# Altium PCB CTRL V5.PcbDoc (part 2 of 3) (continued)
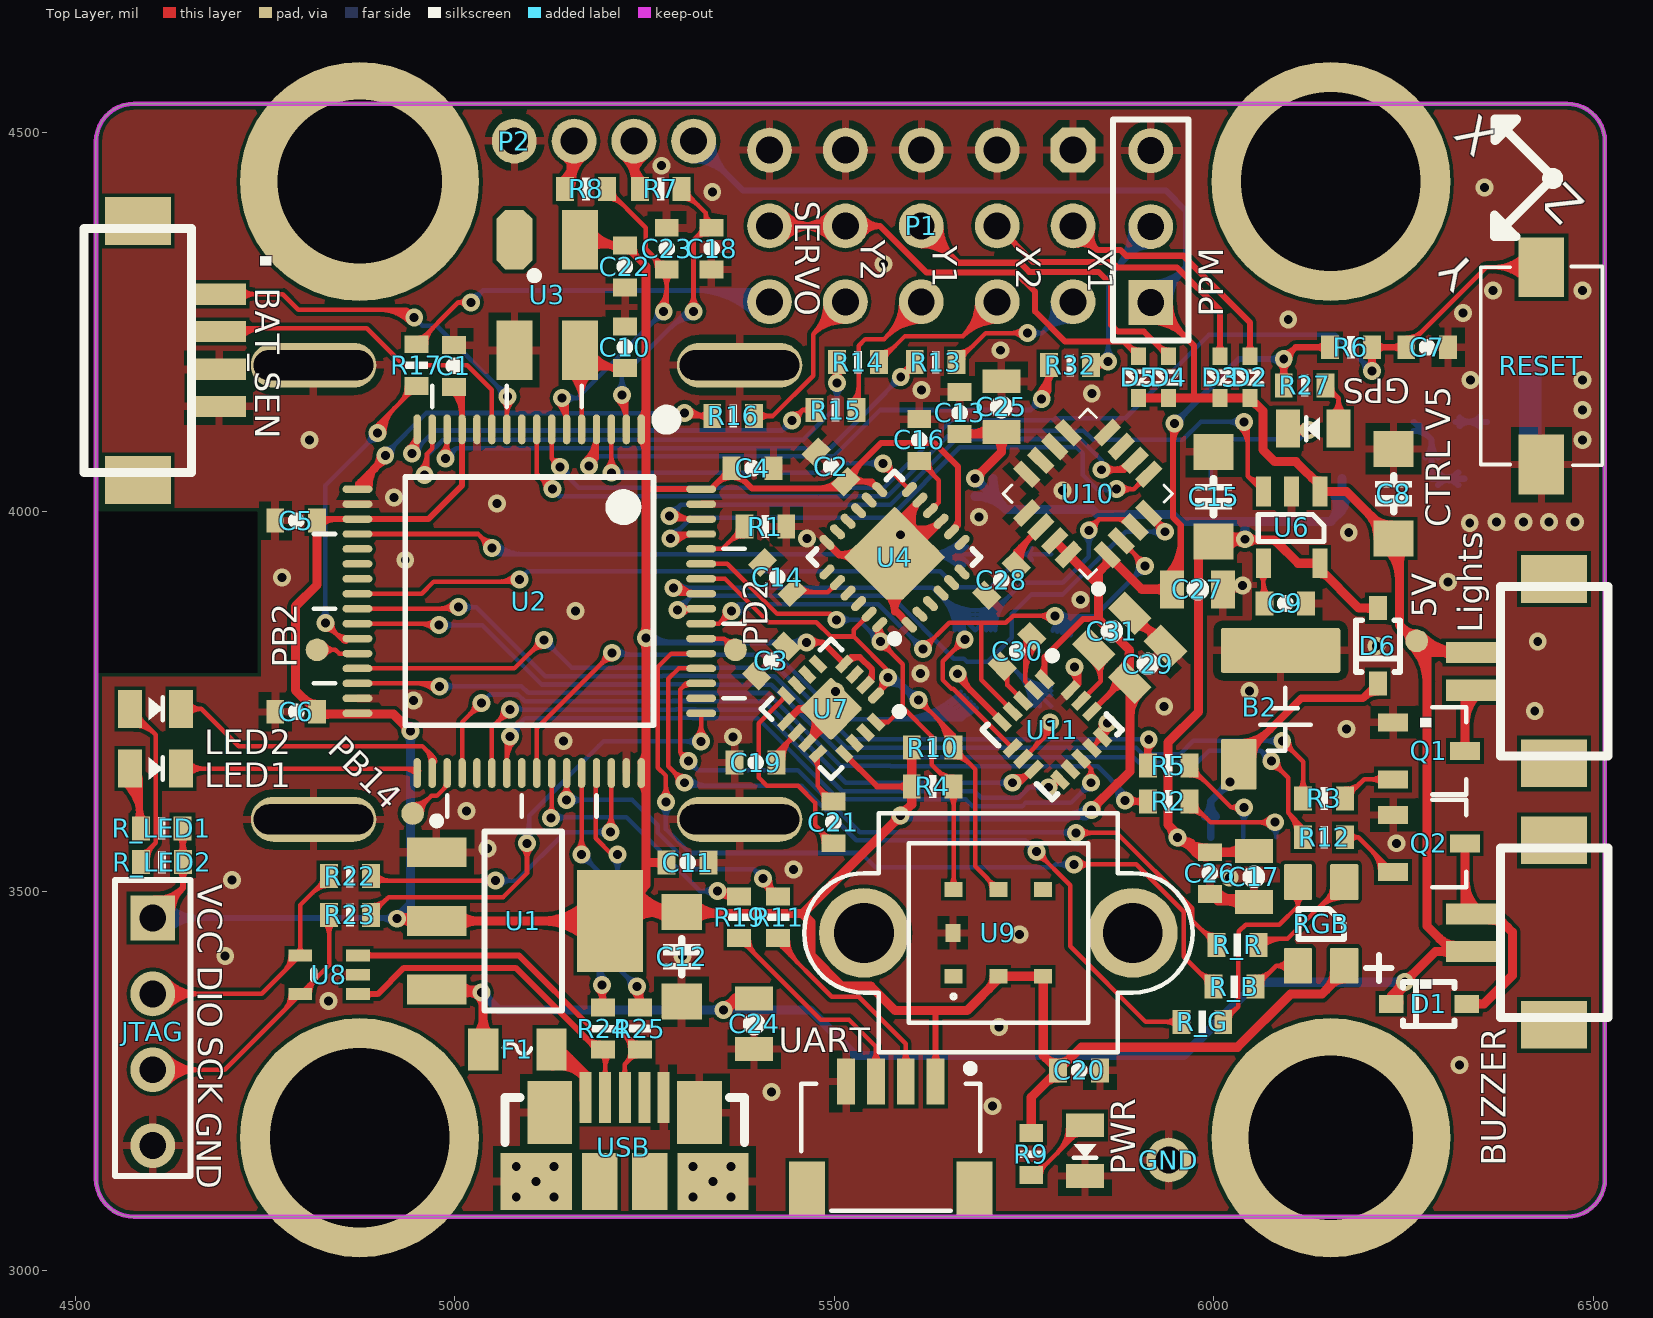
[diagram p0: Top Layer view]
## Nets (pads, with @x,y where several pads share a name; then routed paths per layer and width w, separated by ;. In a path a pad name is that pad's centre, name@x,y a point inside that pad or via, vN(x,y) a via of type N, cw(c..) or ccw(c..) an arc to the next point about the centre after c; other vN are vias at no path point) (continued)
NetC14_1: C14.1 U4.20 | length 120.8
  Top Layer w6: C14.1@5444.69,3893.9 5491.9,3893.9 U4.20@5504.56,3906.55 ; C14.1@5449.46,3898.67 ccw(c5460.98,3910.19) C14.1@5460.98,3893.9 ; C14.1@5453.7,3890.45 cw(c5462.02,3882.13) 5462.02,3893.9 ; C14.1@5453.7,3902.91 ccw(c5475.46,3924.68) 5475.46,3893.9 ; U4.20@5497.59,3902.1 cw(c5491.53,3902.1) 5495.82,3897.81 cw(c5500.1,3893.52) U4.20@5500.1,3899.59
NetC16_1: C16.1 U4.10 | length 136.5
  Top Layer w6: C16.1@5612.21,4066.93 5637.8,4041.34 5637.8,4011.95 U4.10@5627.05,4001.21 ; C16.1@5616.14,4058.12 cw(c5616.14,4046.35) 5624.46,4054.67 ; C16.1@5618.95,4066.93 ccw(c5635.24,4066.93) C16.1@5623.72,4055.41 ; C16.1@5624.95,4066.93 ccw(c5655.73,4066.93) 5633.97,4045.17 ; U4.10@5631.5,4008.17 ccw(c5631.5,4014.24) 5635.79,4009.95 ccw(c5640.08,4005.66) U4.10@5634.02,4005.66
NetC19_2: C19.2 U7.10 | length 123.9
  Top Layer w6: C19.2@5424.21,3674.21 5424.21,3682.23 U7.10@5450.82,3708.84 ; C19.2@5427.02,3673.23 cw(c5455.54,3673.23) 5435.38,3693.39 ; C19.2@5433.02,3673.23 cw(c5476.03,3673.23) U7.10@5445.62,3703.63 ; 5442.36,3697.99 cw(c5449.55,3693.84) U7.10@5447.4,3701.86 ; 5443.27,3699.57 ccw(c5438.31,3702.43) U7.10@5443.84,3703.91 ; U7.10@5443.74,3704.66 cw(c5436.73,3704.66) 5441.69,3699.7 cw(c5446.65,3694.74) U7.10@5446.65,3701.76
NetC21_1: C21.1 U7.8 | length 331.7
  Top Layer w6: U7.8@5434,3757.56 cw(c5426.98,3757.56) 5431.94,3752.6 cw(c5436.9,3747.64) U7.8@5436.9,3754.65 ; U7.8@5436.9,3757.56 5400.59,3721.24 5400.59,3649.61 5411.42,3638.78 5452.63,3638.78 5475.27,3616.14 5475.27,3586.74 C21.1@5499.02,3562.99 ; 5477.25,3584.76 cw(c5455.49,3562.99) C21.1@5486.27,3562.99 ; 5486.76,3575.25 ccw(c5495.08,3583.57) C21.1@5495.08,3571.8 ; C21.1@5487.5,3574.51 cw(c5475.98,3562.99) C21.1@5492.27,3562.99
NetC21_2: C21.2 U7.12 | length 131
  Top Layer w6: U7.12@5472.43,3674.77 cw(c5457.39,3659.73) 5478.66,3659.73 ; U7.12@5478.66,3681 5478.66,3638.46 ; C21.2@5486.28,3618.58 ccw(c5460.19,3619.99) 5478.67,3638.46 ; 5486.76,3630.37 ccw(c5495.08,3638.69) C21.2@5495.08,3626.92 ; C21.2@5488.18,3628.95 cw(c5478.24,3619.02) C21.2@5492.27,3618.26 ; C21.2@5499.02,3618.11 5478.66,3638.46
NetC28_2: C28.2 U10.14 | length 160.6
  Top Layer w8: C28.2@5734.3,3938.98 ccw(c5730.99,3947.32) 5739.96,3947.32 ; C28.2@5736.99,3931.72 cw(c5767.47,3931.72) 5745.91,3953.28 ; C28.2@5739.96,3928.94 5739.96,3947.32 ; C28.2@5739.96,3943.86 ccw(c5749.31,3943.86) C28.2@5742.7,3937.24 ; C28.2@5744.99,3931.72 cw(c5794.78,3931.72) 5759.57,3966.93 ; U10.14@5761.35,3972.71 cw(c5751.69,3972.71) 5758.52,3965.88 cw(c5765.35,3959.06) U10.14@5765.35,3968.71 ; U10.14@5772.42,3979.78 5739.96,3947.32
NetC30_1: C30.1 U11.3 | length 98.8
  Top Layer w6: C30.1@5719.93,3786.1 cw(c5711.14,3771.31) 5728.35,3771.31 ; C30.1@5723,3791.26 cw(c5717.41,3781.86) C30.1@5728.35,3781.86 ; C30.1@5723.77,3784.89 cw(c5723.39,3779.94) 5728.35,3779.94 ; 5728.35,3780.51 5728.35,3771.65 U11.3@5749.26,3750.74 ; U11.3@5741.31,3755.69 ccw(c5734.07,3755.69) 5739.19,3760.81 ccw(c5744.31,3765.93) U11.3@5744.31,3758.69 ; C30.1@5728.35,3781.84 cw(c5736.27,3781.84) 5730.67,3787.44 ccw(c5736.27,3781.84) C30.1@5728.35,3781.84
NetC30_2: C30.2 U11.2 | length 221.8
  Top Layer w6: 5751.97,3783.75 cw(c5812.31,3783.75) C30.2@5769.64,3826.42 ; 5751.97,3798.23 cw(c5797.83,3798.23) C30.2@5765.4,3830.66 ; 5751.97,3812.72 cw(c5783.34,3812.72) C30.2@5761.16,3834.9 ; 5751.97,3827.2 cw(c5768.86,3827.2) C30.2@5756.91,3839.15 ; C30.2@5752.74,3831.51 cw(c5749.07,3829.68) 5751.97,3826.77 ; U11.2@5755.45,3769.83 ccw(c5748.21,3769.83) 5753.33,3774.95 ccw(c5758.45,3780.07) U11.2@5758.45,3772.83 ; C30.2@5756.7,3827.54 ccw(c5754.87,3823.87) 5751.97,3826.77 ; C30.2@5760.63,3835.43 5751.97,3826.77 ; U11.2@5763.4,3764.88 5751.97,3776.32 5751.97,3826.77
NetC31_2: C31.2 U11.15 | length 158.8
  Top Layer w6: U11.15@5825.59,3750.78 5851.38,3776.57 5851.38,3809.3 C31.2@5842.15,3818.53 ; U11.15@5830.54,3758.73 ccw(c5830.54,3765.97) 5835.66,3760.85 ccw(c5840.78,3755.73) U11.15@5833.54,3755.73 ; C31.2@5840,3802.67 cw(c5815.56,3776.47) 5851.38,3776.47 ; C31.2@5844.09,3807.05 cw(c5828.44,3790.28) 5851.38,3790.28 ; 5851.38,3787.69 cw(c5872.98,3787.69) C31.2@5857.71,3802.97
NetD2_A: D2.A P1.2 | length 446.4
  Top Layer w8: P1.2@5814.96,4376.38 5846.85,4344.49 ; P1.2@5819.21,4359.37 cw(c5823.71,4341.34) 5836.86,4354.48 cw(c5850,4367.63) P1.2@5831.97,4372.13 ; P1.2@5821.15,4351.61 cw(c5827.71,4325.35) 5846.85,4344.49 ; P1.2@5839.73,4370.19 ccw(c5865.99,4363.63) 5846.85,4344.49 ; D2.A@6043.86,4210.82 ccw(c6033.89,4220.8) 6047.99,4220.8 ccw(c6062.1,4220.8) D2.A@6052.12,4210.82 ; D2.A@6047.99,4204.72 6047.99,4249.25 5960.18,4337.06 5884.97,4337.06 5877.54,4344.49 5846.85,4344.49
NetD3_A: D3.A P1.5 | length 422.2
  Top Layer w8: P1.5@5714.96,4376.38 5762.6,4328.74 5866.14,4328.74 5873.03,4321.85 5951.77,4321.85 6008.62,4265 D3.A@6008.62,4204.72 ; D3.A@6004.49,4210.82 ccw(c5994.52,4220.8) 6008.62,4220.8 ccw(c6022.73,4220.8) D3.A@6012.75,4210.82
NetD4_A: D4.A P1.8 | length 613.3
  Top Layer w8: P1.8@5614.96,4350.85 cw(c5614.96,4289.22) 5658.54,4332.8 cw(c5702.12,4376.38) P1.8@5640.49,4376.38 ; P1.8@5614.96,4358.85 cw(c5614.96,4316.54) 5644.88,4346.46 cw(c5674.8,4376.38) P1.8@5632.49,4376.38 ; P1.8@5614.96,4376.38 5663.43,4327.91 5745.05,4327.91 5757.21,4315.74 5848.47,4315.74 5865.16,4299.05 5865.16,4246.06 5874.16,4237.06 5908.37,4237.06 D4.A@5940.71,4204.72 ; 5927.37,4218.06 ccw(c5940.71,4231.39) D4.A@5940.71,4212.54 ; D4.A@5932.13,4213.31 cw(c5925.51,4206.69) D4.A@5934.87,4206.69
NetD5_A: D5.A P1.11 P1.14 | length 1017.3
  Top Layer w8: P1.14@5414.96,4376.38 P1.11@5514.96,4376.38 5560.47,4376.38 ; P1.14@5427.35,4363.98 cw(c5457.28,4334.06) 5457.28,4376.38 cw(c5457.28,4418.69) P1.14@5427.35,4388.77 ; P1.14@5433.01,4358.33 cw(c5476.59,4314.75) 5476.59,4376.38 cw(c5476.59,4438.01) P1.14@5433.01,4394.43 ; P1.11@5496.91,4358.33 ccw(c5453.33,4314.75) 5453.33,4376.38 ccw(c5453.33,4438.01) P1.11@5496.91,4394.43 ; P1.11@5502.57,4363.98 ccw(c5472.64,4334.06) 5472.64,4376.38 ccw(c5472.64,4418.69) P1.11@5502.57,4388.77 ; P1.11@5529.92,4367.24 cw(c5546.21,4357.29) 5546.21,4376.38 cw(c5546.21,4395.47) P1.11@5529.92,4385.52 ; P1.11@5536.74,4363.07 cw(c5560.47,4348.57) 5560.47,4376.38 ; P1.11@5536.74,4389.69 ccw(c5560.47,4404.18) 5560.47,4376.38 ; 5888,4218.06 ccw(c5901.34,4231.39) D5.A@5901.34,4212.54 ; D5.A@5892.76,4213.31 cw(c5886.14,4206.69) D5.A@5895.5,4206.69 ; D5.A@5901.34,4204.72 5882,4224.06 5804.48,4224.06 5764.76,4263.78 5764.76,4289.8 5739.66,4314.91 5621.95,4314.91 5560.47,4376.38
NetF1_2: F1.2 USB.VBUS | length 158.9
  Top Layer w15: F1.2@5127.38,3286.32 cw(c5130.7,3258.43) 5150.56,3278.29 ; F1.2@5129.16,3271.43 cw(c5135.36,3219.4) USB.VBUS@5172.41,3256.45 ; F1.2@5133.58,3295.28 USB.VBUS@5172.41,3256.45 ; USB.VBUS@5172.41,3225.17 USB.VBUS@5172.41,3228.13 USB.VBUS@5172.41,3256.45
NetGPS_A: GPS.A R27.1 | length 163.7
  Top Layer w6: R27.1@6147.64,4166.34 6164.84,4149.14 ; R27.1@6149.41,4153.77 cw(c6152.82,4137.13) 6164.84,4149.14 ; GPS.A@6155.85,4127.55 ccw(c6134.4,4149.14) 6164.84,4149.14 ; R27.1@6156.45,4162.4 ccw(c6168.22,4162.4) 6159.9,4154.08 ; GPS.A@6160.08,4123.29 ccw(c6148.72,4134.72) 6164.84,4134.72 ccw(c6180.95,4134.72) GPS.A@6169.59,4123.29 ; GPS.A@6164.84,4109.25 6164.84,4149.14 ; GPS.A@6173.82,4127.55 cw(c6195.28,4149.14) 6164.84,4149.14
NetJTAG_2: JTAG.2 R22.1 U8.4 | length 670.6
  Top Layer w6: JTAG.2@4602.36,3364.57 4745.86,3364.57 U8.4@4796.65,3415.35 4796.65,3481.69 R22.1@4834.65,3519.69 ; JTAG.2@4612.63,3354.29 cw(c4637.43,3329.49) 4637.43,3364.57 cw(c4637.43,3399.64) JTAG.2@4612.63,3374.84 ; JTAG.2@4616.88,3350.05 cw(c4651.92,3315.01) 4651.92,3364.57 cw(c4651.92,3414.12) JTAG.2@4616.88,3379.08 ; JTAG.2@4621.12,3345.81 cw(c4666.41,3300.52) 4666.41,3364.57 cw(c4666.41,3428.61) JTAG.2@4621.12,3383.32 ; 4774.88,3393.59 ccw(c4753.12,3415.35) U8.4@4783.9,3415.35 ; 4785.13,3403.83 ccw(c4773.61,3415.35) U8.4@4789.9,3415.35 ; U8.4@4793.2,3418.8 ccw(c4784.88,3427.12) 4796.65,3427.12 ccw(c4808.41,3427.12) U8.4@4800.09,3418.8 ; 4812.88,3497.92 cw(c4834.65,3476.16) R22.1@4834.65,3506.94 ; 4822.39,3507.43 ccw(c4814.07,3515.75) R22.1@4825.84,3515.75 ; R22.1@4823.13,3508.17 cw(c4834.65,3496.65) R22.1@4834.65,3512.94
NetJTAG_3: JTAG.3 R23.1 U8.5 | length 696.5
  Top Layer w6: JTAG.3@4602.36,3264.57 4697.04,3264.57 U8.5@4796.65,3364.17 4834.65,3402.17 R23.1@4834.65,3468.5 ; JTAG.3@4612.63,3254.29 cw(c4637.43,3229.49) 4637.43,3264.57 cw(c4637.43,3299.64) JTAG.3@4612.63,3274.84 ; JTAG.3@4616.88,3250.05 cw(c4651.92,3215.01) 4651.92,3264.57 cw(c4651.92,3314.12) JTAG.3@4616.88,3279.08 ; JTAG.3@4621.12,3245.81 cw(c4666.41,3200.52) 4666.41,3264.57 cw(c4666.41,3328.61) JTAG.3@4621.12,3283.32 ; 4774.88,3342.41 ccw(c4753.12,3364.17) U8.5@4783.9,3364.17 ; 4785.13,3352.65 ccw(c4773.61,3364.17) U8.5@4789.9,3364.17 ; U8.5@4803.39,3364.17 cw(c4819.69,3364.17) 4808.17,3375.69 ; U8.5@4809.39,3364.17 cw(c4840.17,3364.17) 4818.41,3385.94 ; R23.1@4828.42,3458.34 cw(c4813.37,3443.3) 4834.65,3443.3 cw(c4855.92,3443.3) R23.1@4840.88,3458.34
NetL1_1: L1.1 R26.2 | length 108
  Bottom Layer w8: R26.2@6318.9,4118.11 L1.1@6358.27,4118.11 L1.1@6360.24,4118.11 ; R26.2@6324.42,4112.59 cw(c6337.76,4099.25) 6337.76,4118.11 cw(c6337.76,4136.97) R26.2@6324.42,4123.63 ; L1.1@6351.35,4111.19 ccw(c6334.66,4094.5) 6334.66,4118.11 ccw(c6334.66,4141.72) L1.1@6351.35,4125.03
NetL1_2: L1.2 P40.ANT U5.11 | length 147.2
  Bottom Layer w30: U5.11@6417.32,4043.31 L1.2@6417.32,4118.11 P40.ANT@6417.32,4190.47
NetLED1_A: LED1.A R_LED1.2 | length 349.5
  Top Layer w6: LED1.A@4563.36,3643.15 cw(c4507.21,3587) R_LED1.2@4586.61,3587 ; LED1.A@4567.6,3647.39 cw(c4521.7,3601.49) 4586.61,3601.49 ; LED1.A@4571.84,3651.64 cw(c4536.18,3615.97) 4586.61,3615.97 ; LED1.A@4572.37,3661.42 4586.61,3647.17 R_LED1.2@4586.61,3582.68 ; LED1.A@4576.09,3655.88 cw(c4550.67,3630.46) 4586.61,3630.46 ; R_LED1.2@4579.34,3591.58 ccw(c4561.56,3603.71) 4582.71,3607.7 ; LED1.A@4580.33,3660.12 cw(c4565.15,3644.95) LED1.A@4586.61,3644.95 ; R_LED1.2@4580.38,3592.85 ccw(c4565.34,3607.89) 4586.61,3607.89 ccw(c4607.89,3607.89) R_LED1.2@4592.84,3592.85 ; 4582.77,3607.36 ccw(c4603.43,3611.26) R_LED1.2@4591.58,3593.89
NetLED2_A: LED2.A R_LED2.2 | length 344.6
  Top Layer w6: LED2.A@4572.37,3740.16 4606.43,3706.1 4606.43,3563.62 4586.99,3544.18 R_LED2.2@4586.99,3538.06 ; LED2.A@4572.43,3730.16 cw(c4574.07,3710.37) LED2.A@4588.12,3724.41 ; LED2.A@4572.93,3724.18 cw(c4575.48,3693.46) 4597.27,3715.26 ; LED2.A@4573.43,3718.2 cw(c4576.88,3676.56) 4606.42,3706.11 ; LED2.A@4585.12,3730.91 ccw(c4593.56,3730.91) LED2.A@4587.59,3724.94 ; R_LED2.2@4586.99,3550.81 ccw(c4586.99,3566.81) 4598.3,3555.49 ; R_LED2.2@4595.8,3542 cw(c4622.35,3542) 4603.58,3560.77
NetLights_1: Lights.1 Q1.3 | length 171.3
  Top Layer w12: Q1.3@6327.16,3688.95 ccw(c6317.24,3698.87) 6331.27,3698.87 ccw(c6345.3,3698.87) Q1.3@6335.37,3688.95 ; Q1.3@6331.27,3684.84 6331.27,3754.08 Lights.1@6341.95,3764.76 ; 6331.27,3719.65 cw(c6387.06,3719.65) Lights.1@6347.61,3759.11 ; 6331.27,3748.62 cw(c6358.09,3748.62) Lights.1@6339.12,3767.59
NetP1_3: P1.3 R13.1 | length 494.5
  Top Layer w6: R13.1@5661.42,4196.85 5699.8,4235.24 v1(5754.92,4235.24) ; R13.1@5661.42,4203.6 ccw(c5661.42,4219.89) R13.1@5672.94,4208.37 ; R13.1@5661.42,4209.6 ccw(c5661.42,4240.37) 5683.18,4218.61 ; R13.1@5670.23,4200.79 cw(c5682,4200.79) 5673.68,4209.11 ; v1@5748.69,4229.01 ccw(c5733.65,4213.96) 5733.65,4235.24 ccw(c5733.65,4256.51) v1@5748.69,4241.47
  Bottom Layer w6: v1(5754.92,4235.24) 5773.82,4235.24 ; v1@5761.67,4229.57 cw(c5773.82,4219.38) 5773.82,4235.24 ; v1@5761.67,4240.9 ccw(c5773.82,4251.09) 5773.82,4235.24 ; P1.3@5788.5,4274.52 cw(c5738.08,4270.97) 5773.82,4235.24 ; P1.3@5794.48,4274.94 cw(c5755.47,4272.2) 5783.12,4244.54 cw(c5810.78,4216.89) P1.3@5813.52,4255.9 ; P1.3@5800.47,4275.36 cw(c5772.86,4273.42) 5792.43,4253.85 cw(c5812,4234.28) P1.3@5813.94,4261.89 ; P1.3@5813.1,4249.92 ccw(c5809.56,4199.5) 5773.82,4235.24 ; P1.3@5814.96,4276.38 5773.82,4235.24
NetP1_6: P1.6 R14.1 | length 467
  Top Layer w6: R14.1@5559.05,4196.85 5593.5,4231.3 5669.88,4231.3 ; R14.1@5559.05,4203.6 ccw(c5559.05,4219.89) R14.1@5570.57,4208.37 ; R14.1@5559.05,4209.6 ccw(c5559.05,4240.37) 5580.82,4218.61 ; R14.1@5567.87,4200.79 cw(c5579.63,4200.79) 5571.31,4209.11 ; P1.6@5688.43,4276.29 cw(c5625.1,4276.08) 5669.88,4231.3 ; P1.6@5694.43,4276.31 cw(c5645.43,4276.15) 5680.08,4241.5 cw(c5714.73,4206.84) P1.6@5714.89,4255.85 ; P1.6@5700.43,4276.33 cw(c5665.75,4276.22) 5690.27,4251.69 cw(c5714.8,4227.17) P1.6@5714.91,4261.85 ; P1.6@5714.87,4249.85 ccw(c5714.67,4186.52) 5669.88,4231.3 ; P1.6@5714.96,4276.38 5669.88,4231.3
NetP1_9: P1.9 R15.1 | length 472.5
  Top Layer w6: R15.1@5523.3,4144.03 ccw(c5501.13,4166.19) 5532.48,4166.19 ; R15.1@5527.54,4139.78 ccw(c5515.61,4151.71) 5532.48,4151.71 ; R15.1@5529.53,4133.86 5532.48,4136.81 5532.48,4218.5 5541.34,4227.36 5565.94,4227.36 P1.9@5614.96,4276.38 ; 5532.48,4151.94 ccw(c5543.67,4151.94) R15.1@5535.76,4144.03 ; P1.9@5588.43,4276.38 cw(c5524.39,4276.38) 5569.67,4231.09 cw(c5614.96,4185.81) P1.9@5614.96,4249.85 ; P1.9@5594.43,4276.38 cw(c5544.87,4276.38) 5579.92,4241.34 cw(c5614.96,4206.29) P1.9@5614.96,4255.85 ; P1.9@5600.43,4276.38 cw(c5565.36,4276.38) 5590.16,4251.58 cw(c5614.96,4226.78) P1.9@5614.96,4261.85
NetP1_12: P1.12 R16.1 | length 459.8
  Top Layer w6: R16.1@5394.68,4125.98 5419.29,4125.98 5472.44,4179.13 5472.44,4233.86 ; R16.1@5400.91,4119.75 cw(c5415.96,4104.71) 5415.96,4125.98 cw(c5415.96,4147.26) R16.1@5400.91,4132.21 ; P1.12@5488.46,4275.17 cw(c5433.64,4272.67) 5472.44,4233.86 ; P1.12@5494.45,4275.44 cw(c5452.03,4273.51) 5482.06,4243.48 cw(c5512.09,4213.45) P1.12@5514.02,4255.87 ; P1.12@5500.45,4275.72 cw(c5470.42,4274.35) 5491.68,4253.09 cw(c5512.93,4231.84) P1.12@5514.3,4261.87 ; P1.12@5513.75,4249.88 ccw(c5511.25,4195.05) 5472.44,4233.86 ; P1.12@5514.96,4276.38 5472.44,4233.86
NetP1_15: P1.15 R17.1 | length 984.5
  Top Layer w6: R17.1@4949.8,4220.47 5004.92,4275.59 ; R17.1@4953.74,4229.28 ccw(c4953.74,4241.05) 4962.06,4232.73 ; R17.1@4956.55,4220.47 cw(c4972.84,4220.47) R17.1@4961.32,4231.99 ; R17.1@4962.55,4220.47 cw(c4993.33,4220.47) 4971.56,4242.23 ; v1@5014.39,4270.6 ccw(c5004.92,4264.11) 5004.92,4275.59 ; v1@5014.39,4280.58 cw(c5004.92,4287.07) 5004.92,4275.59 ; v1(5021.65,4275.59) 5004.92,4275.59
  Bottom Layer w6: v1(5021.65,4275.59) 5037.39,4291.33 5400.01,4291.33 P1.15@5414.96,4276.38 ; v1@5021.65,4284.4 ccw(c5021.65,4305.67) 5036.69,4290.63 ccw(c5051.74,4275.59) v1@5030.47,4275.59 ; 5314.82,4291.33 cw(c5314.82,4176.24) P1.15@5396.2,4257.62 ; 5329.31,4291.33 cw(c5329.31,4190.73) P1.15@5400.44,4261.86 ; 5343.8,4291.33 cw(c5343.8,4205.21) P1.15@5404.69,4266.11 ; 5358.28,4291.33 cw(c5358.28,4219.7) P1.15@5408.93,4270.35 ; 5372.77,4291.33 cw(c5372.77,4234.18) P1.15@5413.17,4274.59 ; 5387.01,4291.33 ccw(c5387.01,4304.33) P1.15@5396.2,4295.14 ; 5387.25,4291.33 cw(c5387.25,4248.67) P1.15@5417.42,4278.83
NetPB2_1: PB2.1 U2.28 | length 88.8
  Top Layer w6: PB2.1@4818.9,3817.91 4843,3817.91 ; PB2.1@4828.47,3810.68 cw(c4843,3799.71) 4843,3817.91 ; PB2.1@4828.47,3825.15 ccw(c4843,3836.12) 4843,3817.91 ; U2.28@4872.05,3812.99 4847.92,3812.99 4843,3817.91
NetPB14_1: PB14.1 U2.35 | length 143
  Top Layer w6: PB14.1@4944.88,3602.36 4946.23,3602.36 4969.23,3625.36 4976.36,3625.36 4990.16,3639.16 U2.35@4990.16,3655.51 ; PB14.1@4944.88,3608.36 ccw(c4944.88,3626.11) 4957.43,3613.56 ; PB14.1@4944.88,3614.36 ccw(c4944.88,3646.59) 4967.67,3623.8 ; PB14.1@4956.88,3602.36 cw(c4982.59,3602.36) 4964.41,3620.54 ; 4985.75,3634.75 ccw(c4979.76,3640.75) U2.35@4988.24,3640.75
NetPC13_1: PC13.1 R7.2 | length 354.5
  Top Layer w6: PC13.1@5219.67,4467.46 cw(c5192.22,4433.07) R7.2@5236.22,4433.07 ; PC13.1@5223.41,4472.15 cw(c5202.17,4445.54) 5236.22,4445.54 cw(c5270.27,4445.54) PC13.1@5249.03,4472.15 ; PC13.1@5227.16,4476.84 cw(c5212.13,4458.01) 5236.22,4458.01 cw(c5260.31,4458.01) PC13.1@5245.28,4476.84 ; PC13.1@5231.18,4462.15 cw(c5228.9,4450.36) 5240.49,4453.47 cw(c5248.5,4455.61) PC13.1@5245.57,4463.37 ; R7.2@5236.22,4440.44 ccw(c5255.4,4440.44) R7.2@5241.84,4426.88 ; 5236.22,4454.93 ccw(c5269.89,4454.93) R7.2@5246.08,4431.12 ; PC13.1@5236.22,4469.41 ccw(c5284.38,4469.41) R7.2@5250.32,4435.36 ; PC13.1@5236.22,4488.19 R7.2@5236.22,4433.07 ; R7.2@5244.09,4425.2 R7.2@5236.22,4433.07 ; PC13.1@5252.77,4467.46 ccw(c5280.22,4433.07) R7.2@5236.22,4433.07
NetPD1_1: PD1.1 R8.2 | length 389.7
  Top Layer w6: R8.2@5139.44,4435.36 ccw(c5095.89,4478.92) PD1.1@5157.48,4478.92 ; PD1.1@5142.19,4466.51 cw(c5121.37,4437.01) R8.2@5157.48,4437.01 ; R8.2@5143.68,4431.12 ccw(c5110.37,4464.43) PD1.1@5157.48,4464.43 ; PD1.1@5144.83,4464.87 cw(c5139.49,4455.03) 5150.3,4452.14 cw(c5163.27,4448.66) PD1.1@5161.32,4461.94 ; R8.2@5145.67,4425.2 R8.2@5157.48,4437.01 ; PD1.1@5145.65,4471.42 cw(c5129.54,4448.59) 5157.48,4448.59 cw(c5185.42,4448.59) PD1.1@5169.31,4471.42 ; R8.2@5147.92,4426.88 ccw(c5124.86,4449.95) 5157.48,4449.95 ; PD1.1@5148.18,4463.34 cw(c5144.78,4454.24) 5154.18,4451.79 cw(c5169.08,4447.9) PD1.1@5164.82,4462.7 ; PD1.1@5150.29,4468.96 cw(c5147.12,4460.5) 5155.86,4458.22 ; R8.2@5152.17,4422.64 ccw(c5139.34,4435.46) R8.2@5157.48,4435.46 ; PD1.1@5157.48,4488.19 R8.2@5157.48,4437.01 ; PD1.1@5172.77,4466.51 ccw(c5193.59,4437.01) R8.2@5157.48,4437.01
NetPD2_1: PD2.1 U2.54 | length 76.8
  Top Layer w6: U2.54@5324.8,3832.68 5355.31,3832.68 ; PD2.1@5358.48,3820.97 ccw(c5346.71,3824.08) 5355.32,3832.68 ; PD2.1@5367.02,3829.52 cw(c5363.92,3841.28) 5355.32,3832.68 ; PD2.1@5370.08,3817.91 5355.31,3832.68
NetPPM_2: PPM.2 R32.2 | length 583.8
  Top Layer w6: R32.2@5845.61,4187.6 cw(c5856.3,4179.51) v1@5856.3,4192.91 ; R32.2@5845.61,4198.23 ccw(c5856.3,4206.32) v1@5856.3,4192.91 ; R32.2@5848.47,4192.91 ccw(c5848.47,4204.47) v1@5858.73,4199.13 ; R32.2@5849.69,4191.14 cw(c5852.12,4182.07) v1@5856.81,4190.2 ; v1@5853.41,4201.91 cw(c5838.58,4209.63) R32.2@5838.58,4192.91 v1@5856.3,4192.91 ; v1(5861.22,4197.83) v1@5856.3,4192.91
  Bottom Layer w6: v1@5854.99,4204.06 ccw(c5839.95,4219.11) 5861.22,4219.11 ccw(c5882.49,4219.11) v1@5867.45,4204.06 ; v1(5861.22,4197.83) 5861.22,4309.06 5917.32,4365.16 PPM.2@5917.32,4375.59 ; 5864.66,4312.5 ccw(c5801.57,4375.59) PPM.2@5890.79,4375.59 ; 5874.9,4322.74 ccw(c5822.05,4375.59) PPM.2@5896.79,4375.59 ; 5885.15,4332.98 ccw(c5842.54,4375.59) PPM.2@5902.79,4375.59 ; 5889.85,4337.68 cw(c5917.32,4310.2) PPM.2@5917.32,4349.06 ; 5895.39,4343.22 ccw(c5863.02,4375.59) PPM.2@5908.79,4375.59 ; 5900.09,4347.92 cw(c5917.32,4330.69) PPM.2@5917.32,4355.06
NetPWR_A: PWR.A R9.2 | length 229
  Top Layer w6: R9.2@5759.84,3125.98 5765.28,3125.98 PWR.A@5830.71,3191.41 ; R9.2@5763.78,3134.79 ccw(c5763.78,3159.7) 5781.39,3142.09 ; R9.2@5772.59,3125.98 cw(c5790.23,3125.98) 5777.76,3138.46 ; 5793.15,3153.85 ccw(c5755.6,3191.41) PWR.A@5808.71,3191.41 ; 5803.4,3164.1 ccw(c5776.08,3191.41) PWR.A@5814.71,3191.41 ; 5813.64,3174.34 ccw(c5796.57,3191.41) PWR.A@5820.71,3191.41 ; PWR.A@5815.49,3176.19 cw(c5821.46,3170.22) PWR.A@5821.46,3178.66
NetQ1_2: Q1.2 R3.2 | length 153.2
  Top Layer w6: R3.2@6173.23,3622.05 6198.46,3647.28 Q1.2@6236.38,3647.28 ; R3.2@6173.23,3628.8 ccw(c6173.23,3645.09) R3.2@6184.75,3633.57 ; R3.2@6173.23,3634.8 ccw(c6173.23,3665.57) 6194.99,3643.81 ; R3.2@6182.04,3625.99 cw(c6193.81,3625.99) 6185.49,3634.31 ; Q1.2@6222.27,3641.05 ccw(c6207.23,3626.01) 6207.23,3647.28 ccw(c6207.23,3668.56) Q1.2@6222.27,3653.51
NetQ2_2: Q2.2 R12.1 | length 158.2
  Top Layer w6: R12.1@6173.23,3570.87 6190.75,3570.87 ; R12.1@6180.3,3565.61 cw(c6190.75,3557.86) 6190.75,3570.87 ; R12.1@6180.3,3576.12 ccw(c6190.75,3583.87) 6190.75,3570.87 ; 6207.89,3553.72 cw(c6179.41,3525.24) Q2.2@6219.69,3525.24 ; 6218.14,3543.48 cw(c6199.9,3525.24) Q2.2@6225.69,3525.24 ; Q2.2@6236.38,3525.24 6190.75,3570.87
NetR1_2: R1.2 U2.60 | length 115.5
  Top Layer w6: U2.60@5324.8,3950.79 5352.36,3950.79 R1.2@5381.89,3980.32 ; 5360.13,3958.55 cw(c5381.89,3936.79) R1.2@5381.89,3967.57 ; 5369.63,3968.06 ccw(c5361.31,3976.38) R1.2@5373.08,3976.38 ; R1.2@5370.37,3968.8 cw(c5381.89,3957.28) R1.2@5381.89,3973.57
NetR2_2: R2.2 U5.20 | length 251.4
  Top Layer w6: R2.2@5968.5,3605.36 cw(c5968.5,3574.59) 5990.27,3596.35 ; R2.2@5968.5,3611.36 cw(c5968.5,3595.07) R2.2@5980.02,3606.59 ; R2.2@5968.5,3618.11 5996.19,3590.43 6080.7,3590.43 v1(6081.01,3590.73) ; R2.2@5977.32,3614.17 ccw(c5989.08,3614.17) 5980.76,3605.85 ; 6059.01,3590.43 ccw(c6059.01,3612.72) v1@6074.78,3596.96 ; 6060.46,3590.43 cw(c6060.46,3570.18) v1@6074.78,3584.5
  Bottom Layer w6: U5.20@6076.01,3583.47 cw(c6067.3,3570.8) U5.20@6082.68,3570.8 ; v1(6081.01,3590.73) 6082.68,3589.05 U5.20@6082.68,3570.87 ; U5.20@6082.68,3573.49 cw(c6098.24,3573.49) U5.20@6087.24,3584.5
NetR5_2: R5.2 U5.21 | length 254.6
  Top Layer w6: R5.2@5968.5,3652.61 cw(c5968.5,3623.14) 5989.34,3643.98 ; R5.2@5968.5,3658.61 cw(c5968.5,3643.63) R5.2@5979.09,3654.22 ; R5.2@5968.5,3665.35 5968.5,3664.81 6023.08,3610.24 ; R5.2@5977.31,3661.42 ccw(c5990.4,3661.42) 5981.15,3652.17 ; v1@6033.22,3605.06 ccw(c6023.08,3597.71) 6023.08,3610.24 ; v1@6033.22,3615.41 cw(c6023.08,3622.77) 6023.08,3610.24 ; v1(6040.35,3610.24) 6023.08,3610.24
  Bottom Layer w6: U5.21@6034.12,3604.01 cw(c6021.46,3591.34) U5.21@6039.37,3591.34 ; U5.21@6034.71,3602.42 ccw(c6032.03,3609.25) v1@6039.37,3609.25 ; U5.21@6039.37,3570.87 v1@6039.37,3609.25 ; U5.21@6039.37,3586.59 cw(c6064,3586.59) U5.21@6046.58,3604.01 ; v1(6040.35,3610.24) v1@6039.37,3609.25 ; U5.21@6044.03,3602.42 cw(c6046.71,3609.25) v1@6039.37,3609.25
NetR11_1: R11.1 UART.2 | length 384
  Top Layer w6: R11.1@5413.39,3437.01 R11.1@5420.83,3437.01 ; R11.1@5426.18,3437.99 5426.18,3431.66 5497.02,3360.83 5532.66,3360.83 5594.49,3299 UART.2@5594.49,3259.84 ; R11.1@5426.93,3437.99 ccw(c5444.02,3437.99) 5431.94,3425.91 ; R11.1@5432.93,3437.99 ccw(c5464.51,3437.99) 5442.18,3415.66 ; R11.1@5438.93,3437.99 ccw(c5484.99,3437.99) 5452.42,3405.42 ; UART.2@5588.26,3273.95 ccw(c5573.22,3288.99) 5594.49,3288.99 ccw(c5615.76,3288.99) UART.2@5600.72,3273.95
NetR19_1: R19.1 UART.3 | length 354.3
  Top Layer w6: R19.1@5375,3437.99 5482.28,3330.71 5519.69,3330.71 5555.12,3295.28 UART.3@5555.12,3259.84 ; R19.1@5378.94,3429.18 cw(c5378.94,3417.41) 5387.26,3425.73 ; R19.1@5381.75,3437.99 ccw(c5398.04,3437.99) R19.1@5386.52,3426.47 ; R19.1@5387.75,3437.99 ccw(c5418.52,3437.99) 5396.76,3416.23 ; UART.3@5548.89,3273.95 ccw(c5533.85,3288.99) 5555.12,3288.99 ccw(c5576.39,3288.99) UART.3@5561.35,3273.95
NetR24_1: R24.1 U8.1 USB.D- | length 545.2
  Top Layer w6: R24.1@5193.13,3285.11 cw(c5180.37,3272.36) 5198.41,3272.36 ; USB.D-@5194.96,3257.2 ccw(c5186.64,3265.52) 5198.41,3265.52 ccw(c5210.18,3265.52) USB.D-@5201.86,3257.2 ; R24.1@5195.42,3291.34 5198.41,3288.36 USB.D-@5198.41,3228.13 USB.D-@5198.41,3225.17 ; 5198.41,3267.79 cw(c5222.91,3267.79) R24.1@5205.59,3285.11
  Top Layer w8: U8.1@4872.65,3364.17 4898.69,3364.17 4933.28,3398.76 5080.48,3398.76 5187.9,3291.34 R24.1@5195.42,3291.34 ; U8.1@4883.26,3361.43 cw(c4889.87,3354.82) 4889.87,3364.17 cw(c4889.87,3373.53) U8.1@4883.26,3366.91 ; 5172.03,3307.21 ccw(c5191.48,3326.66) R24.1@5191.48,3299.15 ; R24.1@5180.68,3298.56 cw(c5173.46,3291.34) R24.1@5183.67,3291.34